# Altium PCB WifiNode.PcbDoc
Units mm, origin at the board's own origin, x right, y up, seen from the top; angles counter-clockwise.
Board outline 107 x 34 mm, 2 copper layers (Top Layer, Bottom Layer); 52 components, 31 nets, 207 pads, 36 vias.
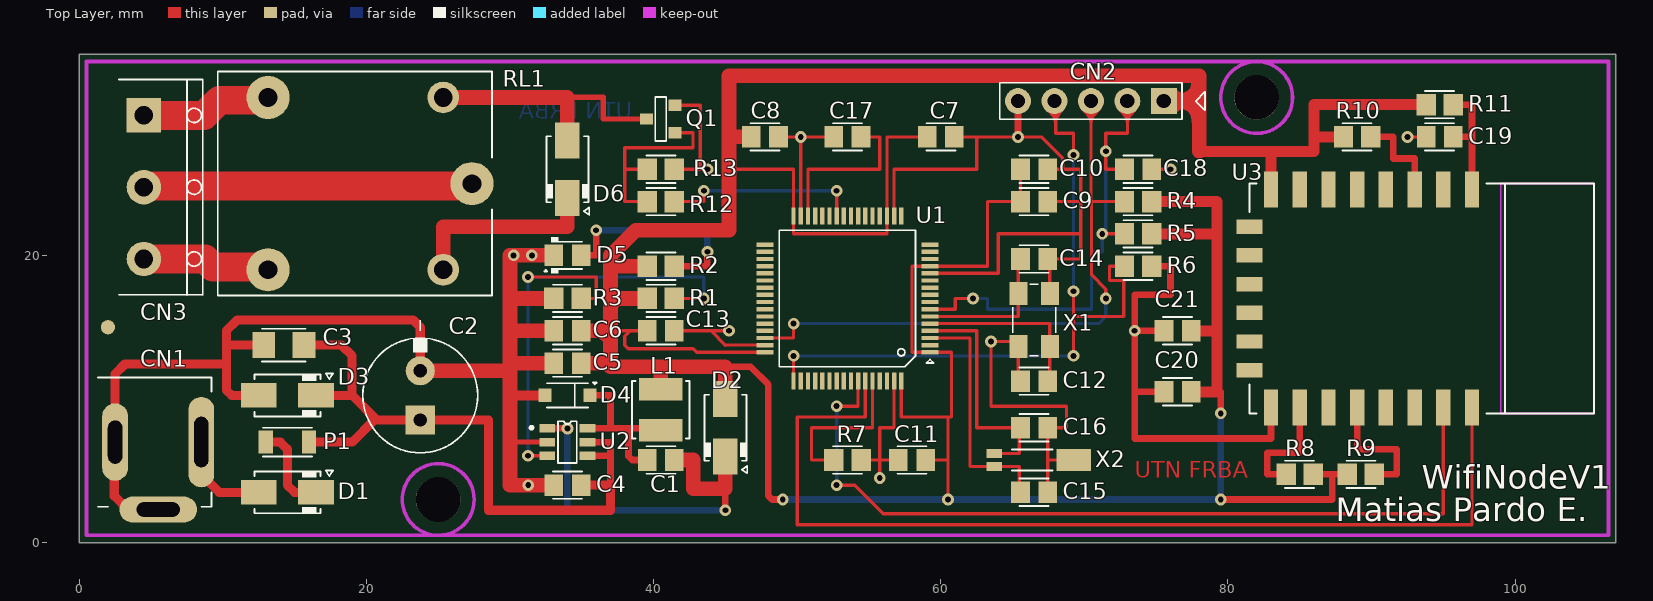
[diagram p0: Top Layer view]
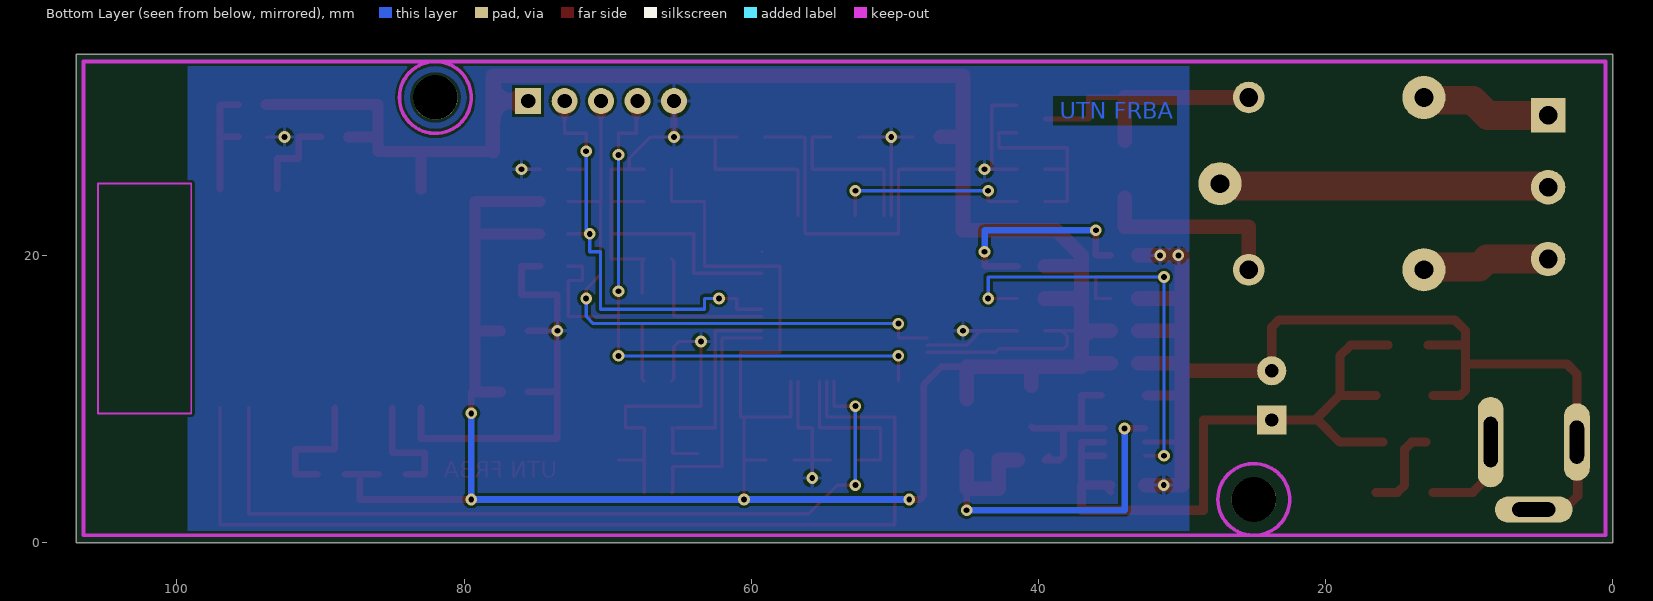
[diagram p1: Bottom Layer view, seen from below]
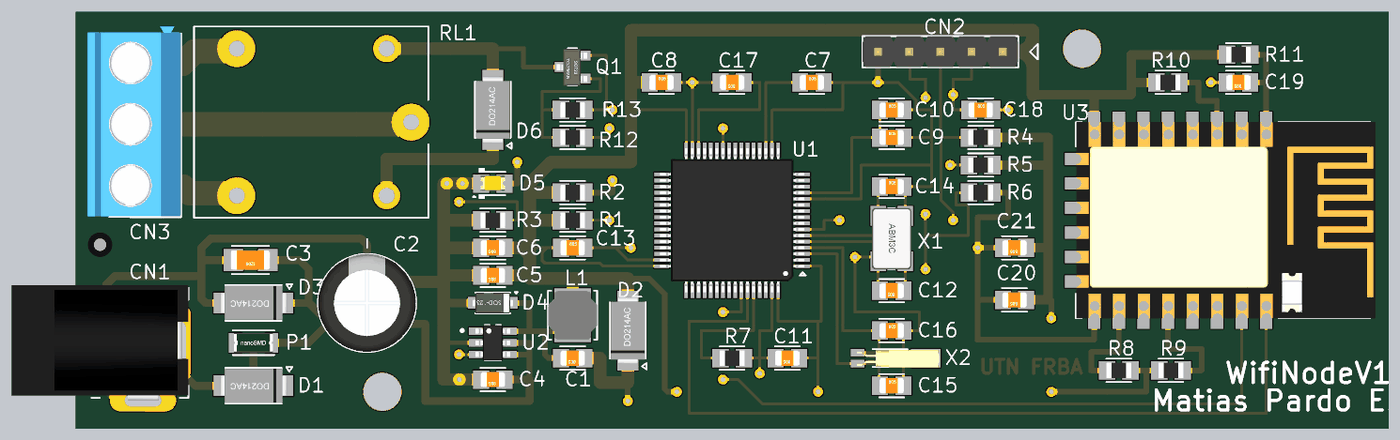
[diagram p2: 3D render of the assembled board from above, using the file's embedded part models]

## Layer stack, top to bottom
Top Solder: solder mask 0.0102, Solder Resist, Dk 3.5
Top Layer: signal copper 0.0356
Dielectric 1: dielectric 0.32, FR-4, Dk 4.8
Bottom Layer: signal copper 0.0356
Bottom Solder: solder mask 0.0102, Solder Resist, Dk 3.5

## Board outline
0,0 0,34 107,34 107,0

## Design rules (kind name [scope] priority, off if disabled: settings)
Clearance [All] p1: gap=0.196 ignorepadtopadclearanceinfootprint=FALSE
PolygonConnect [All] p1: connectstyle=Relief reliefconductorwidth=0.254 reliefentries=4 polygonreliefangle="90 Angle" airgapwidth=0.254
RoutingVias [All] p1: holewidth=0.406 width=0.813 viastyle="Through Hole" minholewidth=0.406 minwidth=0.813 maxholewidth=0.406 maxwidth=0.813
SolderMaskExpansion [All] p1: expansion=0.102
Width [All] p1: maxlimit=2.54 minlimit=0.229 preferedwidth=0.229 minimp=50.000000 maximp=50.000000 favimp=50.000000
30 further rules are at their usual default settings.

## Classes and differential pairs
component class Designator: C1 C2 C3 C4 C5 C6 CN1 D1 D2 D3 D4 D5 L1 P1 R1 R2 R3 U2

## Components (designator, comment, footprint, x,y, rotation, side; value= is the part's Value field where it differs from the comment)
C1 "100nF" C_0805 40.5,5.75 r180 top
C2 "220uF 35V Elect" C_RAD_0.135_H_8X12_S 23.75,10.25 r270 top
C3 "100nF 50V X7R" C_1206 14.25,13.75 r180 top
C4 "2.2uF 50V X7R" C_0805 34,4 r180 top
C5 "10uF 10V X7R" C_0805 34,12.5 r180 top
C6 "10uF 10V X7R" C_0805 34,14.75 r180 top
C7 "100nF 25V X7R" C_0805 60,28.25 r0 top
C8 "100nF 25V X7R" C_0805 47.75,28.25 r0 top
C9 "100nF 25V X7R" C_0805 66.5,23.75 r0 top
C10 "10uF 25V X7R" C_0805 66.5,26 r0 top
C11 "100nF 25V X7R" C_0805 58,5.75 r180 top
C12 "22pF 50V C0G" C_0805 66.5,11.25 r180 top
C13 "100nF 25V X7R" C_0805 40.5,14.75 r0 top
C14 "22pF 50V C0G" C_0805 66.5,19.75 r0 top
C15 "4.7pF 50V C0G" C_0805 66.5,3.5 r0 top
C16 "4.7pF 50V C0G" C_0805 66.5,8 r0 top
C17 "4.7uF 6V3 X7R" C_0805 53.5,28.25 r180 top
C18 "100nF 25V X7R" C_0805 73.75,26 r0 top
C19 "100nF 50V X7R" C_0805 94.75,28.25 r180 top
C20 "100nF 25V X7R" C_0805 76.5,10.5 r180 top
C21 "10uF 25V X7R" C_0805 76.5,14.75 r180 top
CN1 "PJ-002BH" PJ002B 8.5,7 r180 top
CN2 "Header Male 1x5 0.1\"" "Header_M_1x5_0.1\"" 70.46,30.75 r180 top
CN3 "CONN_03P" TerminalBlock_1x3_P5mm 4.5,24.75 r270 top
D1 "S1G" D_SMA 14.5,3.5 r0 top
D2 "1N4148WS" D_SMA 45,8 r270 top
D3 "SMAJ30A" D_SMA 14.5,10.25 r0 top
D4 "DIODO_SH" SOD_123 34,10.25 r0 top
D5 "LED rojo 0805" D_0805 34,20 r180 top
D6 "1N4148WS" D_SMA 34,26 r270 top
L1 "LQH44PN220MP0L" LQH44 40.5,9.25 r90 top
P1 "NANOSMDC012F-2" NANOSMDC 14.5,7 r0 top
Q1 "IRLML0040TRPBF" SOT_23 40.5,29.5 r180 top
R1 "30K9 1%" R_0805 40.5,17 r180 top
R2 "2K2 5%" R_0805 40.5,19.25 r180 top
R3 "10K 1%" R_0805 34,17 r0 top
R4 "10K 5%" R_0805 73.75,23.75 r0 top
R5 "10K 5%" R_0805 73.75,21.5 r0 top
R6 "10K 5%" R_0805 73.75,19.25 r180 top
R7 "10K 5%" R_0805 53.5,5.75 r180 top
R8 "10K 5%" R_0805 85,4.75 r0 top
R9 "10K 5%" R_0805 89.25,4.75 r180 top
R10 "10K 5%" R_0805 89,28.25 r180 top
R11 "10K 5%" R_0805 94.75,30.5 r0 top
R12 "1K 5%" R_0805 40.5,23.75 r0 top
R13 "10K 5%" R_0805 40.5,26 r180 top
RL1 "SRD-24VDC-SLC" 943-1C 20.25,25 r180 top
U1 "STM32F401RET6" LQFP_64 53.5,17 r90 top
U2 "MCP16301HT-E/CH" SOT23-6 34,7 r0 top
U3 "ESP12F" ESP12F 90,17 r270 top
X1 "ECS-80-10-30B-CKM-TR" ABM3C 66.5,15.5 r270 top
X2 "AB26TRQ-32.768KHZ-T" AB26TQF 66.5,5.75 r180 top

## Footprints (in the part's own frame and the unit in brackets; to place one, negate y for a bottom-side part, rotate by r counter-clockwise, add the part's x,y. Pads: shape width x height; smd on the part's side, far side on the other; paste and mask are expansions set on the pad)
943-1C [mm]
  round 2.2 hole 1.3: 1(-5.1,6) 2(-5.1,-6)
  round 3 hole 1.3: 3(-7.1,0) 4(7.1,6) 5(7.1,-6)
  silkscreen extent -8.5,-7.8 10.6,7.8, body extent -8.5,-7.75 10.5,7.75, height 15.3
AB26TQF [mm]
  rect 1.1x0.6 smd: 1(2.775,0.45) 2(2.775,-0.45)
  rect 2.4x1.5 smd: 3(-2.775,0)
  silkscreen extent -1.3,-0.73 1.55,0.72, body extent -3.88,-0.68 2.83,0.78, height 1.53
ABM3C [mm]
  rect 1.6x1.25 smd: 1(1.85,1.1) 2(-1.85,1.1) 3(-1.85,-1.1) 4(1.85,-1.1)
  silkscreen extent -2.5,-1.5 2.5,1.5, body extent -2.5,-1.6 2.5,1.6, height 1.3
C_0805 [mm] "Chip Capacitor, 2-Leads, Body 2.00x1.25mm"
  rect 1.3x1.5 smd: 1(-0.95,0) 2(0.95,0)
  silkscreen extent -1.02,-0.95 1.02,0.95, body extent -1,-0.62 1,0.63, height 0.78
C_1206 [mm]
  rect 1.6x1.8 smd: 1(-1.4,0) 2(1.4,0)
  silkscreen extent -1.52,-1.14 1.52,1.14, body extent -1.6,-0.8 1.6,0.8, height 1
C_RAD_0.135_H_8X12_S [mil]
  rect 80x80 hole 36: 1(67.5,0)
  round 80 hole 36: 2(-67.5,0)
  silkscreen extent -207,-157 157,157, body extent -158,-157 157,157, height 484
D_0805 [mm]
  rect 1.3x1.5 smd: 1(-0.95,0) 2(0.95,0)
  silkscreen extent -1.02,-1.27 1.62,1.27, body extent -1.01,-0.66 1.01,0.62, height 1.12
D_SMA [mm]
  rect 2.5x1.7 smd: 1(-2,0) 2(2,0)
  silkscreen extent -2.3,-1.52 3.17,1.52, body extent -2.74,-1.4 2.74,1.4, height 2.39
ESP12F [mm]
  rect 2.5x1 smd: 1(-7.6,7) 2(-7.6,5) 3(-7.6,3) 4(-7.6,1) 5(-7.6,-1) 6(-7.6,-3) 7(-7.6,-5) 8(-7.6,-7) 15(7.6,-7) 16(7.6,-5) 17(7.6,-3) 18(7.6,-1) 19(7.6,1) 20(7.6,3) 21(7.6,5) 22(7.6,7)
  rect 1x1.8 smd: 9(-5,-8.5) 10(-3,-8.5) 11(-1,-8.5) 12(1,-8.5) 13(3,-8.5) 14(5,-8.5) 14(5,-8.5)
  Keep-Out Layer lines w0.127: 8,9 8,15.5 -8,15.5 -8,9 8,9
  silkscreen extent -8,-8.5 8,15.5, body extent -8,-8.46 8,15.91, height 3.2
"Header_M_1x5_0.1\"" [mm] "Header Male 1 x 5 Vias Pitch 100mils"
  rect 1.8x1.8 hole 1: 1(-5.08,0)
  round 1.8 hole 1: 2(-2.54,0) 3(0,0) 4(2.54,0) 5(5.08,0)
  silkscreen extent -7.94,-1.27 6.35,1.27, body extent -6.35,-1.27 6.35,1.27, height 8.87
LQFP_64 [mm]
  rect 0.3x1.2 smd: 1(-3.75,-5.75) 2(-3.25,-5.75) 3(-2.75,-5.75) 4(-2.25,-5.75) 5(-1.75,-5.75) 6(-1.25,-5.75) 7(-0.75,-5.75) 8(-0.25,-5.75) 9(0.25,-5.75) 10(0.75,-5.75) 11(1.25,-5.75) 12(1.75,-5.75) 13(2.25,-5.75) 14(2.75,-5.75) 15(3.25,-5.75) 16(3.75,-5.75) 33(3.75,5.75) 34(3.25,5.75) 35(2.75,5.75) 36(2.25,5.75) 37(1.75,5.75) 38(1.25,5.75) 39(0.75,5.75) 40(0.25,5.75) 41(-0.25,5.75) 42(-0.75,5.75) 43(-1.25,5.75) 44(-1.75,5.75) 45(-2.25,5.75) 46(-2.75,5.75) 47(-3.25,5.75) 48(-3.75,5.75)
  rect 1.2x0.3 smd: 17(5.75,-3.75) 18(5.75,-3.25) 19(5.75,-2.75) 20(5.75,-2.25) 21(5.75,-1.75) 22(5.75,-1.25) 23(5.75,-0.75) 24(5.75,-0.25) 25(5.75,0.25) 26(5.75,0.75) 27(5.75,1.25) 28(5.75,1.75) 29(5.75,2.25) 30(5.75,2.75) 31(5.75,3.25) 32(5.75,3.75) 49(-5.75,3.75) 50(-5.75,3.25) 51(-5.75,2.75) 52(-5.75,2.25) 53(-5.75,1.75) 54(-5.75,1.25) 55(-5.75,0.75) 56(-5.75,0.25) 57(-5.75,-0.25) 58(-5.75,-0.75) 59(-5.75,-1.25) 60(-5.75,-1.75) 61(-5.75,-2.25) 62(-5.75,-2.75) 63(-5.75,-3.25) 64(-5.75,-3.75)
  silkscreen extent -4.75,-6 4.75,4.75, body extent -5.89,-5.89 5.89,5.89, height 1.55
LQH44 [mm]
  rect 1.55x3 smd: 1(-1.425,0) 2(1.425,0)
  silkscreen extent -2,-2 2,2, body extent -2,-2 2,2, height 1.65
NANOSMDC [mm]
  rect 1x1.6 smd: 1(-1.5,0) 2(1.5,0)
  silkscreen extent -1.7,-1 1.7,1, body extent -1.6,-0.8 1.6,0.8, height 1
PJ002B [mm]
  oval 1.8x6.3 hole 1 slot 3.5 at 90 deg: 1(0,0)
  oval 1.8x5.4 hole 1 slot 3 at 90 deg: 2(6,0)
  oval 5.4x1.8 hole 1 slot 3 at 0 deg: 3(3,4.7)
  silkscreen extent -0.7,-4.5 7.2,4.5, body extent -0.7,-4.7 13.7,4.7, height 11.05
R_0805 [mm] "Chip Resistor, 2-Leads, Body 2.00x1.25mm, IPC Low Density"
  rect 1.35x1.5 smd: 1(-0.95,0) 2(0.95,0)
  silkscreen extent -1.02,-0.95 1.02,0.95, body extent -1,-0.62 1,0.62, height 0.75
SOD_123 [mm]
  rect 0.9x0.95 smd: 1(-1.575,0) 2(1.575,0)
  silkscreen extent -1.43,-0.85 2.03,0.89, body extent -1.93,-0.85 1.93,0.85, height 0.92
SOT23-6 [mm]
  rect 1.1x0.6 smd: 1(-1.4,0.95) 2(-1.4,0) 3(-1.4,-0.95) 4(1.4,-0.95) 5(1.4,0) 6(1.4,0.95)
  silkscreen extent -2.6,-1.45 0.65,1.45, body extent -1.4,-1.45 1.4,1.45, height 1.45
SOT_23 [mm]
  rect 0.9x0.8 smd: 1(-1,0.95) 2(-1,-0.95) 3(1,0)
  silkscreen extent -0.38,-1.52 0.38,1.52, body extent -1.19,-1.48 1.31,1.52, height 1.09
TerminalBlock_1x3_P5mm [mm]
  rect 2.4x2.4 hole 1.3: 1(-5,0)
  round 2.4 hole 1.3: 2(0,0) 3(5,0)
  silkscreen extent -7.5,-1.75 7.5,4.1, body extent -8.08,-3.53 7.43,4.08, height 10

## Part data
C1 C3 C4 C5 C6 C7 C8 C9 C10 C11 C12 C13 C14 C15 C16 C17 C18 C19 C20 C21: library part CAP, "Non Polarized Capacitor"
C2: library part CAP_P, "Polarized Capacitor"
CN1: library part CN_PowerJack, "Barrel Power Connector"
CN2: library part CONN_05P, "Connector Generic 5 Vias"
CN3: "Connector Generic 3 Vias"
D1 D2 D6: library part DIODO_SH, "Diode Shottky"
D3: library part DIODE_TVS, "Unidirectional TVS"
D4: "Diode Shottky"
D5: library part LED, "LED"
L1: library part IND, "Inductor", =CDRH10D48MNNP-220-NC
P1: library part PLYSW, "Polyswitch"
Q1: library part N_MOSFET_SOT23, "Mosfet N-Ch"
R1 R2 R3 R4 R5 R6 R7 R8 R9 R10 R11 R12 R13: library part Res1, "Resistor"
RL1: library part "RELAY SPDT", "Relay SPDT"
U1: library part STM32F401RE
U2: library part MCP16301, "Buck 36V-adj 600mA SOT-6"
U3: library part "ESP12F Wifi Module", "Wifi Module"
X1: library part CRYSTAL_4P, "Crystal 4 Vias + GND"
X2: library part "CRYSTAL 3P", "Crystal 2 Vias + GND"

## Free pads (board coordinates)
  round 3.1 hole 3.1: 5(25,3) 5(82,31)
  round 1 smd: 6(2,15)
  round 2 on Top Solder: 6(2,15)

## Via types
v1: diameter 0.813, hole 0.406, Top Layer to Bottom Layer, 36 vias

## Nets (pads, with @x,y where several pads share a name; then routed paths per layer and width w, separated by ;. In a path a pad name is that pad's centre, name@x,y a point inside that pad or via, vN(x,y) a via of type N, cw(c..) or ccw(c..) an arc to the next point about the centre after c; other vN are vias at no path point)
+3.3V: C5.1 C6.1 C7.1 C8.1 C9.1 C10.1 C11.1 C13.1 C20.1 C21.1 CN2.1 D2.1 L1.2 R1.2 R2.2 R4.2 R5.2 R8.2 R9.2 R10.2 R11.1 U1.1 U1.13 U1.19 U1.32 U1.48 U1.64 U3.8 | length 282.5
  Top Layer w0.229: 37,14.75 38.384,14.75 ; C13.1 38.384,14.75 ; 45.25,26 49.75,26 U1.32 49.75,21.5 56.25,21.5 U1.19 56.25,28.25 C7.1 ; U1.48 43,13.25 42.75,13.5 38.25,13.5 38,13.75 38,14.366 38.384,14.75 ; U1.64 57.25,8.75 60.5,8.75 ; C11.1 60.5,5.75 ; v1(60.5,3) 60.5,5.75 ; C10.1 C9.1 63.25,23.75 63.25,19.25 U1.13 58,19.25 58,13.25 60.75,13.25 60.75,8.75 60.5,8.75 ; 60.5,5.75 60.5,8.75
  Top Layer w0.457: 45,12.25 46.75,12.25 48,11 48,3.25 48.25,3 v1(49,3) ; 79.25,10.5 79.5,10.5 v1(79.5,9) ; v1(79.5,3) 87.25,3 87.25,4.75 ; R8.2 87.25,4.75 ; R9.2 87.25,4.75
  Top Layer w0.762: R5.2 79.25,21.5 ; R4.2 79.25,23.75 79.25,21.5 ; C20.1 79.25,10.5 79.25,14.75 ; C21.1 79.25,14.75 ; 78,27.25 83,27.25 ; U3.8 83,27.25 ; R10.2 86,28.25 ; R11.1 86,30.5 86,28.25 ; 79.25,14.75 79.25,21.5 ; 83,27.25 86,27.25 86,28.25
  Top Layer w1.016: C5.1 37,12.5 ; C6.1 36.405,14.75 37,14.155 ; R1.2 37.453,17 37,16.547 ; R2.2 37,19.25 ; L1.2@40.5,10.925 40.5,12 ; D2.1 45,12.25 40.5,12.25 40.5,12 ; C8.1 45.25,28.25 ; CN2.1 78,30.75 ; 78,27.25 78,30.75 ; 37,12.5 37,14.155 ; 37,12.5 37,12.25 40.25,12.25 40.5,12 ; 37,14.155 37,14.75 37,16.547 ; 37,16.547 37,19.25 ; 37,19.25 37,20 38.75,21.75 45.25,21.75 45.25,26 45.25,28.25 ; 45.25,28.25 45.25,32.5 78,32.5 78,30.75
  Bottom Layer w0.457: v1(49,3) v1(60.5,3) v1(79.5,3) v1(79.5,9)
"+24V In": CN1.1 D1.1 | length 6.8
  Top Layer w0.635: CN1.1 8.5,4.75 9.75,3.5 D1.1
+Vin: C2.1 C3.1 C4.1 D3.2 P1.2 U2.4 U2.5 | length 50
  Top Layer w0.457: C4.1@34.95,3.5 C4.1@35.45,4 ; U2.4 37,6.05 ; U2.5 37,7 37,6.05 ; 37,4 37,6.05
  Top Layer w0.635: C3.1 18.25,13.75 19,13 19,10.25 ; P1.2 19,7 20.536,8.535 20.714,8.535 ; D3.2 19,10.25 ; C4.1 35.45,4 37,4 37,2.25 28.5,2.25 28.5,8.535 C2.1 20.714,8.535 ; 19,10.25 20.714,8.535
BOOT0: R7.2 U1.60 | length 11.3
  Top Layer w0.229: R7.2 51,5.75 51,8 55.25,8 U1.60
Com1: CN3.2 RL1.3 | length 23
  Top Layer w2: CN3.2 4.577,24.827 27.177,24.827 RL1.3
GND: C2.2 C3.2 C4.2 C5.2 C6.2 C7.2 C8.2 C9.2 C10.2 C11.2 C12.2 C13.2 C14.2 C15.2 C16.2 C17.2 C18.2 C19.2 C20.2 C21.2 CN1.2 CN1.3 CN2.5 D3.1 D4.1 D5.2 Q1.2 R3.1 R6.1 R7.1 R13.1 U1.12 U1.18 U1.31 U1.47 U1.63 U2.2 U3.15 X1.2 X1.4 X2.3 | length 233.3
  Top Layer w0.229: C13.2 44,14.75 ; R13.1 43.25,26 ; Q1.2 43.25,30.45 43.25,26 ; v1(43.75,26) 43.25,26 ; v1(45.25,14.75) 44,14.75 ; U1.47 47.707,13.757 45,13.75 44,14.75 ; C8.2 v1(50.25,28.25) ; U1.31 v1(50.25,28.25) ; C17.2 v1(50.25,28.25) ; R7.1 55.75,5.75 ; v1(55.75,4.5) 55.75,5.75 ; U1.63 56.75,8 55.75,8 55.75,5.75 ; U1.18 56.75,26 62.5,26 62.5,28.25 ; C11.2 55.75,5.75 ; U1.12 64,18.75 64,21.5 69.75,21.5 ; C7.2 62.5,28.25 ; C12.2 65.4,11.4 X1.4 65.05,14 v1(63.5,14) 63.5,9.5 68.75,9.5 68.75,8 C16.2 67.45,5.75 ; C15.2 67.45,5.75 ; C9.2 69.75,23.75 ; C10.2 68.5,26 ; X1.2 67.6,19.6 C14.2 69.75,19.75 69.75,21.5 ; X2.3 67.45,5.75 ; C18.2 v1(76,26) ; v1(92.5,28.25) C19.2 ; 62.5,28.25 v1(65.38,28.25) 67,28.25 68.5,26.75 68.5,26 ; 68.5,26 69.75,26 69.75,23.75 ; 69.75,21.5 69.75,23.75
  Top Layer w0.35: 30,7 U2.2
  Top Layer w0.457: v1(65.38,28.25) CN2.5 ; R6.1 76,19.25 76,17.25 73.5,17.25 v1(73.5,14.75) ; C20.2 73.5,10.5 ; C21.2 v1(73.5,14.75) ; U3.15 83,7.25 73.5,7.25 73.5,10.5 ; 73.5,10.5 v1(73.5,14.75)
  Top Layer w0.635: CN1.3 3.385,2.3 2.435,3.25 2.435,6.935 CN1.2 2.5,11.75 3.186,12.436 10.25,12.436 ; D3.1 10.622,10.25 10.25,10.622 10.25,12.436 ; C3.2 10.25,13.75 ; C2.2 23.75,15 23.25,15.5 11,15.5 10.25,14.75 10.25,13.75 ; 10.25,12.436 10.25,13.75
  Top Layer w0.7: 30,10.25 D4.1
  Top Layer w1.016: C2.2 30,11.964 ; 30,6.875 30,4 v1(31.275,4) C4.2@32.55,4 ; 30,7 30,10.25 30,11.964 ; C5.2 30,12.5 ; C6.2 30,14.75 ; R3.1 30,17 ; D5.2 v1(31.525,20) v1(30.25,20) 30,20 30,17 ; 30,11.964 30,12.5 ; 30,12.5 30,14.75 ; 30,14.75 30,17
mcu_OUT0: R12.2 U1.26 | length 13.8
  Top Layer w0.229: R12.2 43.5,23.75 v1(43.5,24.5) ; U1.26 v1(52.75,24.5)
  Bottom Layer w0.229: v1(43.5,24.5) v1(52.75,24.5)
mcu_RX1: U1.59 U3.22 | length 69.9
  Top Layer w0.229: U1.59 54.75,8.75 50,8.75 50,1.25 97,1.25 U3.22
mcu_TX1: U1.58 U3.21 | length 59.2
  Top Layer w0.229: v1(52.75,4) 54,4 56,2 95,2 U3.21 ; v1(52.75,9.5) 54.243,9.5 54.243,11.25 U1.58
  Bottom Layer w0.229: v1(52.75,4) v1(52.75,9.5)
NA1: CN3.1 RL1.5 | length 9.2
  Top Layer w2: CN3.1 8.7,29.75 9.759,30.809 12.959,30.809 RL1.5
NC1: CN3.3 RL1.4 | length 9
  Top Layer w2: CN3.3 8.75,19.75 9.309,19.191 12.959,19.191 RL1.4
NetC1_1: C1.1 D2.2 U2.1 | length 27.4
  Top Layer w0.457: U2.1 33.95,7.95 v1@34,8 ; v1(45,2.25) 45,3.75
  Top Layer w1.016: C1.1 42.75,5.75 42.75,3.75 45,3.75 D2.2
  Bottom Layer w0.457: v1(34,7.95) 34,2.25 v1(45,2.25)
NetC12_1: C12.1 U1.5 X1.1 | length 12.4
  Top Layer w0.229: U1.5 67.6,15.25 X1.1 67.6,11.4 C12.1
NetC14_1: C14.1 U1.6 X1.3 | length 10.2
  Top Layer w0.229: U1.6 65.4,15.75 X1.3 65.4,19.6 C14.1
NetC15_1: C15.1 U1.3 X2.1 | length 17.1
  Top Layer w0.229: U1.3 62.043,14.25 62.043,5.3 X2.1 65.475,5.3 65.475,3.5 C15.1
NetC16_1: C16.1 U1.4 X2.2 | length 16.4
  Top Layer w0.229: U1.4 62.5,14.75 62.5,8 C16.1@65.225,8 ; X2.2 65.475,6.2 65.475,8 C16.1
NetD1_2: D1.2 P1.1 | length 6.4
  Top Layer w0.635: P1.1 14,7 14.5,6.5 14.5,4 15,3.5 D1.2
NetD5_1: D5.1 R2.1 | length 15.3
  Top Layer w0.457: D5.1 36,20 v1(36,21.75) ; R2.1 43.75,19.25 v1(43.75,20.25)
  Bottom Layer w0.457: v1(36,21.75) 43.75,21.75 v1(43.75,20.25)
NetD6_1: D6.1 Q1.3 RL1.2 | length 18.7
  Top Layer w0.381: 34,31 36.5,31 36.5,29.5 Q1.3
  Top Layer w1.016: RL1.2 34,31 D6.1
NetD6_2: D6.2 RL1.1 | length 13.7
  Top Layer w1.016: RL1.1 25.35,22 34,22 D6.2
NetQ1_1: Q1.1 R12.1 R13.2 | length 13.9
  Top Layer w0.229: R12.1 38,23.75 38,26 ; R13.2 38,26 ; Q1.1 42.75,28.55 42.75,27.5 38,27.5 38,26
NetR8_1: R8.1 U3.16 | length 8.2
  Top Layer w0.457: R8.1 82.75,4.75 82.75,6.25 85,6.25 U3.16
NetR9_1: R9.1 U3.18 | length 8.9
  Top Layer w0.457: U3.18 89,6.5 91.75,6.5 91.75,4.75 R9.1
NetR10_1: R10.1 U3.3 | length 6.7
  Top Layer w0.457: R10.1 91.5,28.25 91.5,26.75 93,26.75 U3.3
NRST: C18.1 CN2.2 R5.1 U1.7 | length 33.7
  Top Layer w0.229: U1.7 59.25,16.257 61,16.257 61,17 v1(62.25,17) ; v1(71.25,21.5) R5.1 ; C18.1 71.5,26 v1(71.5,27.25) 71.5,28.5 73,28.5 CN2.2
  Bottom Layer w0.229: v1(62.25,17) 63.25,17 63.25,16.25 70.501,16.25 70.501,20.25 71.25,20.25 v1(71.25,21.5) 71.5,21.75 v1(71.5,27.25)
RST_Wifi: C19.1 R11.2 U3.1 | length 8.5
  Top Layer w0.457: C19.1 97,28.25 ; R11.2 97,30.5 97,28.25 ; U3.1 97,28.25
SW: C1.2 D4.2 L1.1 U2.6 | length 12.6
  Top Layer w0.457: U2.6 37,7.95 ; D4.2 37,10.25 37,7.95 ; C1.2@39.282,6.018 C1.2 38.518,5.75 38.25,6.018 38.25,7.95 ; L1.1@40.5,8.075 40.375,7.95 38.25,7.95 ; 37,7.95 38.25,7.95
SWCLK: CN2.4 R6.2 U1.49 | length 49.4
  Top Layer w0.229: U1.49 v1(49.75,13) ; CN2.4 68,30.75 68,28.5 69.25,28.5 v1(69.25,27) ; v1(69.25,13) 69.25,15.75 ; v1(69.25,17.5) 69.25,15.75 ; R6.2 71.75,19.25 71.75,18.25 72.75,18.25 72.75,15.75 69.25,15.75
  Bottom Layer w0.229: v1(49.75,13) v1(69.25,13) ; v1(69.25,17.5) v1(69.25,27)
SWDIO: CN2.3 R4.1 U1.46 | length 42.7
  Top Layer w0.229: U1.46 49.75,14.25 v1(49.75,15.25) ; CN2.3 70.46,23.79 70.5,23.75 ; v1(71.5,17) 71.5,17.65 70.5,18.65 70.5,23.75 ; R4.1 70.5,23.75
  Bottom Layer w0.229: v1(49.75,15.25) 71,15.25 71.5,15.75 v1(71.5,17)
VCAP1: C17.1 U1.30 | length 11.8
  Top Layer w0.229: U1.30 50.75,26 55.75,26 55.75,28.25 C17.1
VFB: R1.1 R3.2 U2.3 | length 36.9
  Top Layer w0.229: v1(31.25,6.05) U2.3 ; v1(31.25,18.5) 36,18.5 36,17 R3.2 ; R1.1 v1(43.5,17)
  Bottom Layer w0.229: v1(31.25,6.05) v1(31.25,18.5) 43.5,18.5 v1(43.5,17)
pads on no net: U1.2 U1.8 U1.9 U1.10 U1.11 U1.14 U1.15 U1.16 U1.17 U1.20 U1.21 U1.22 U1.23 U1.24 U1.25 U1.27 U1.28 U1.29 U1.33 U1.34 U1.35 U1.36 U1.37 U1.38 U1.39 U1.40 U1.41 U1.42 U1.43 U1.44 U1.45 U1.50 U1.51 U1.52 U1.53 U1.54 U1.55 U1.56 U1.57 U1.61 U1.62 U3.2 U3.4 U3.5 U3.6 U3.7 U3.9 U3.10 U3.11 U3.12 U3.13 U3.14 U3.17 U3.19 U3.20
copper on no net: | length 0

## Polygon pours and split planes (outlines as drawn)
no net on Top Layer "Top Layer-No Net" (solid, pour order 2): 29.25,34
GND on Bottom Layer "gnd" (solid, pour order 4): 29.5,33.5 29.5,0.5 99.25,0.5 99.25,33.5

## Keep-outs
Keep-Out Layer:
  circle w0.254: c25,3 r2.5
  circle w0.254: c82,31 r2.5
  lines w0.254: 0.5,0.5 106.5,0.5 106.5,33.5 0.5,33.5 0.5,0.5

## Other copper
Top Layer:
  text "UTN FRBA" at 73.5,4.5 h1.14
Bottom Layer:
  text "UTN FRBA" at 38.5,29.5 h1.14

## Silkscreen, mask and mechanical layers (free items; w line width, h text height)
Top Overlay:
  text "WifiNodeV1" at 93.5,3.75 h1.65
  text "Matias Pardo E." at 87.5,1.5 h1.65
Mechanical 1:
  the board outline again, w0.254
Mechanical 6 (Mech6):
  lines w0.254: 0,1.25 107,1.25 ; 0,3.5 107,3.5 ; 0,5.75 107,5.75 ; 0,8 107,8 ; 0,10.25 107,10.25 ; 0,12.5 107,12.5 ; 0,14.75 107,14.75 ; 0,17 107,17 ; 0,19.25 107,19.25 ; 0,21.5 107,21.5 ; 0,23.75 107,23.75 ; 0,26 107,26 ; 0,28.25 107,28.25 ; 0,30.5 107,30.5 ; 0,32.75 107,32.75 ; 1.5,0 1.5,34 8,34 ; 8,0 8,34 ; 14.5,0 14.5,34 ; 21,0 21,34 ; 27.5,0 27.5,34 ; 34,0 34,34 ; 40.5,0 40.5,34 ; 47,0 47,34 ; 53.5,0 53.5,34 ; 60,0 60,34 ; 66.5,0 66.5,34 ; 73,0 73,34 ; 79.5,0 79.5,34 ; 86,0 86,34 ; 92.5,0 92.5,34 ; 99,0 99,34 ; 105.5,0 105.5,34 99,34 ; 8,34 14.5,34 ; 14.5,34 21,34 ; 21,34 27.5,34 ; 27.5,34 34,34 ; 34,34 40.5,34 ; 40.5,34 47,34 ; 47,34 53.5,34 ; 53.5,34 60,34 ; 60,34 66.5,34 ; 66.5,34 73,34 ; 73,34 79.5,34 ; 79.5,34 86,34 ; 86,34 92.5,34 ; 92.5,34 99,34
UserLayerAux:
  lines w0.254: 109.992,1.42 110.5,-0.104 ; 109.992,32.372 110.5,33.896 ; 110.246,-0.104 110.754,-0.104 ; 110.246,33.896 110.754,33.896 ; 110.5,11.792 110.5,-0.104 ; 110.5,22 110.5,33.896 ; 111.008,1.42 110.5,-0.104 ; 111.008,32.372 110.5,33.896
  text "34 (mm)" at 111.414,12.046 h1.52 r90

## Dimensions
0,0 to 107,0 on UserLayerAux
82,31 to 107,34 on UserLayerAux
0,0 to 25,3 on UserLayerAux